# Altium PCB PCB_v4.PcbDoc (part 6 of 7)
Units mm, origin at the board's own origin, x right, y up, seen from the top; angles counter-clockwise.
Board outline 171.45 x 152.4 mm, 6 copper layers (Top Layer, Int1 (GND), Int2 (Sign), Int3 (Sign), Int4 (PWR), Bottom Layer), stack 1.551 mm thick; 408 components, 505 nets, 2356 pads, 897 vias.
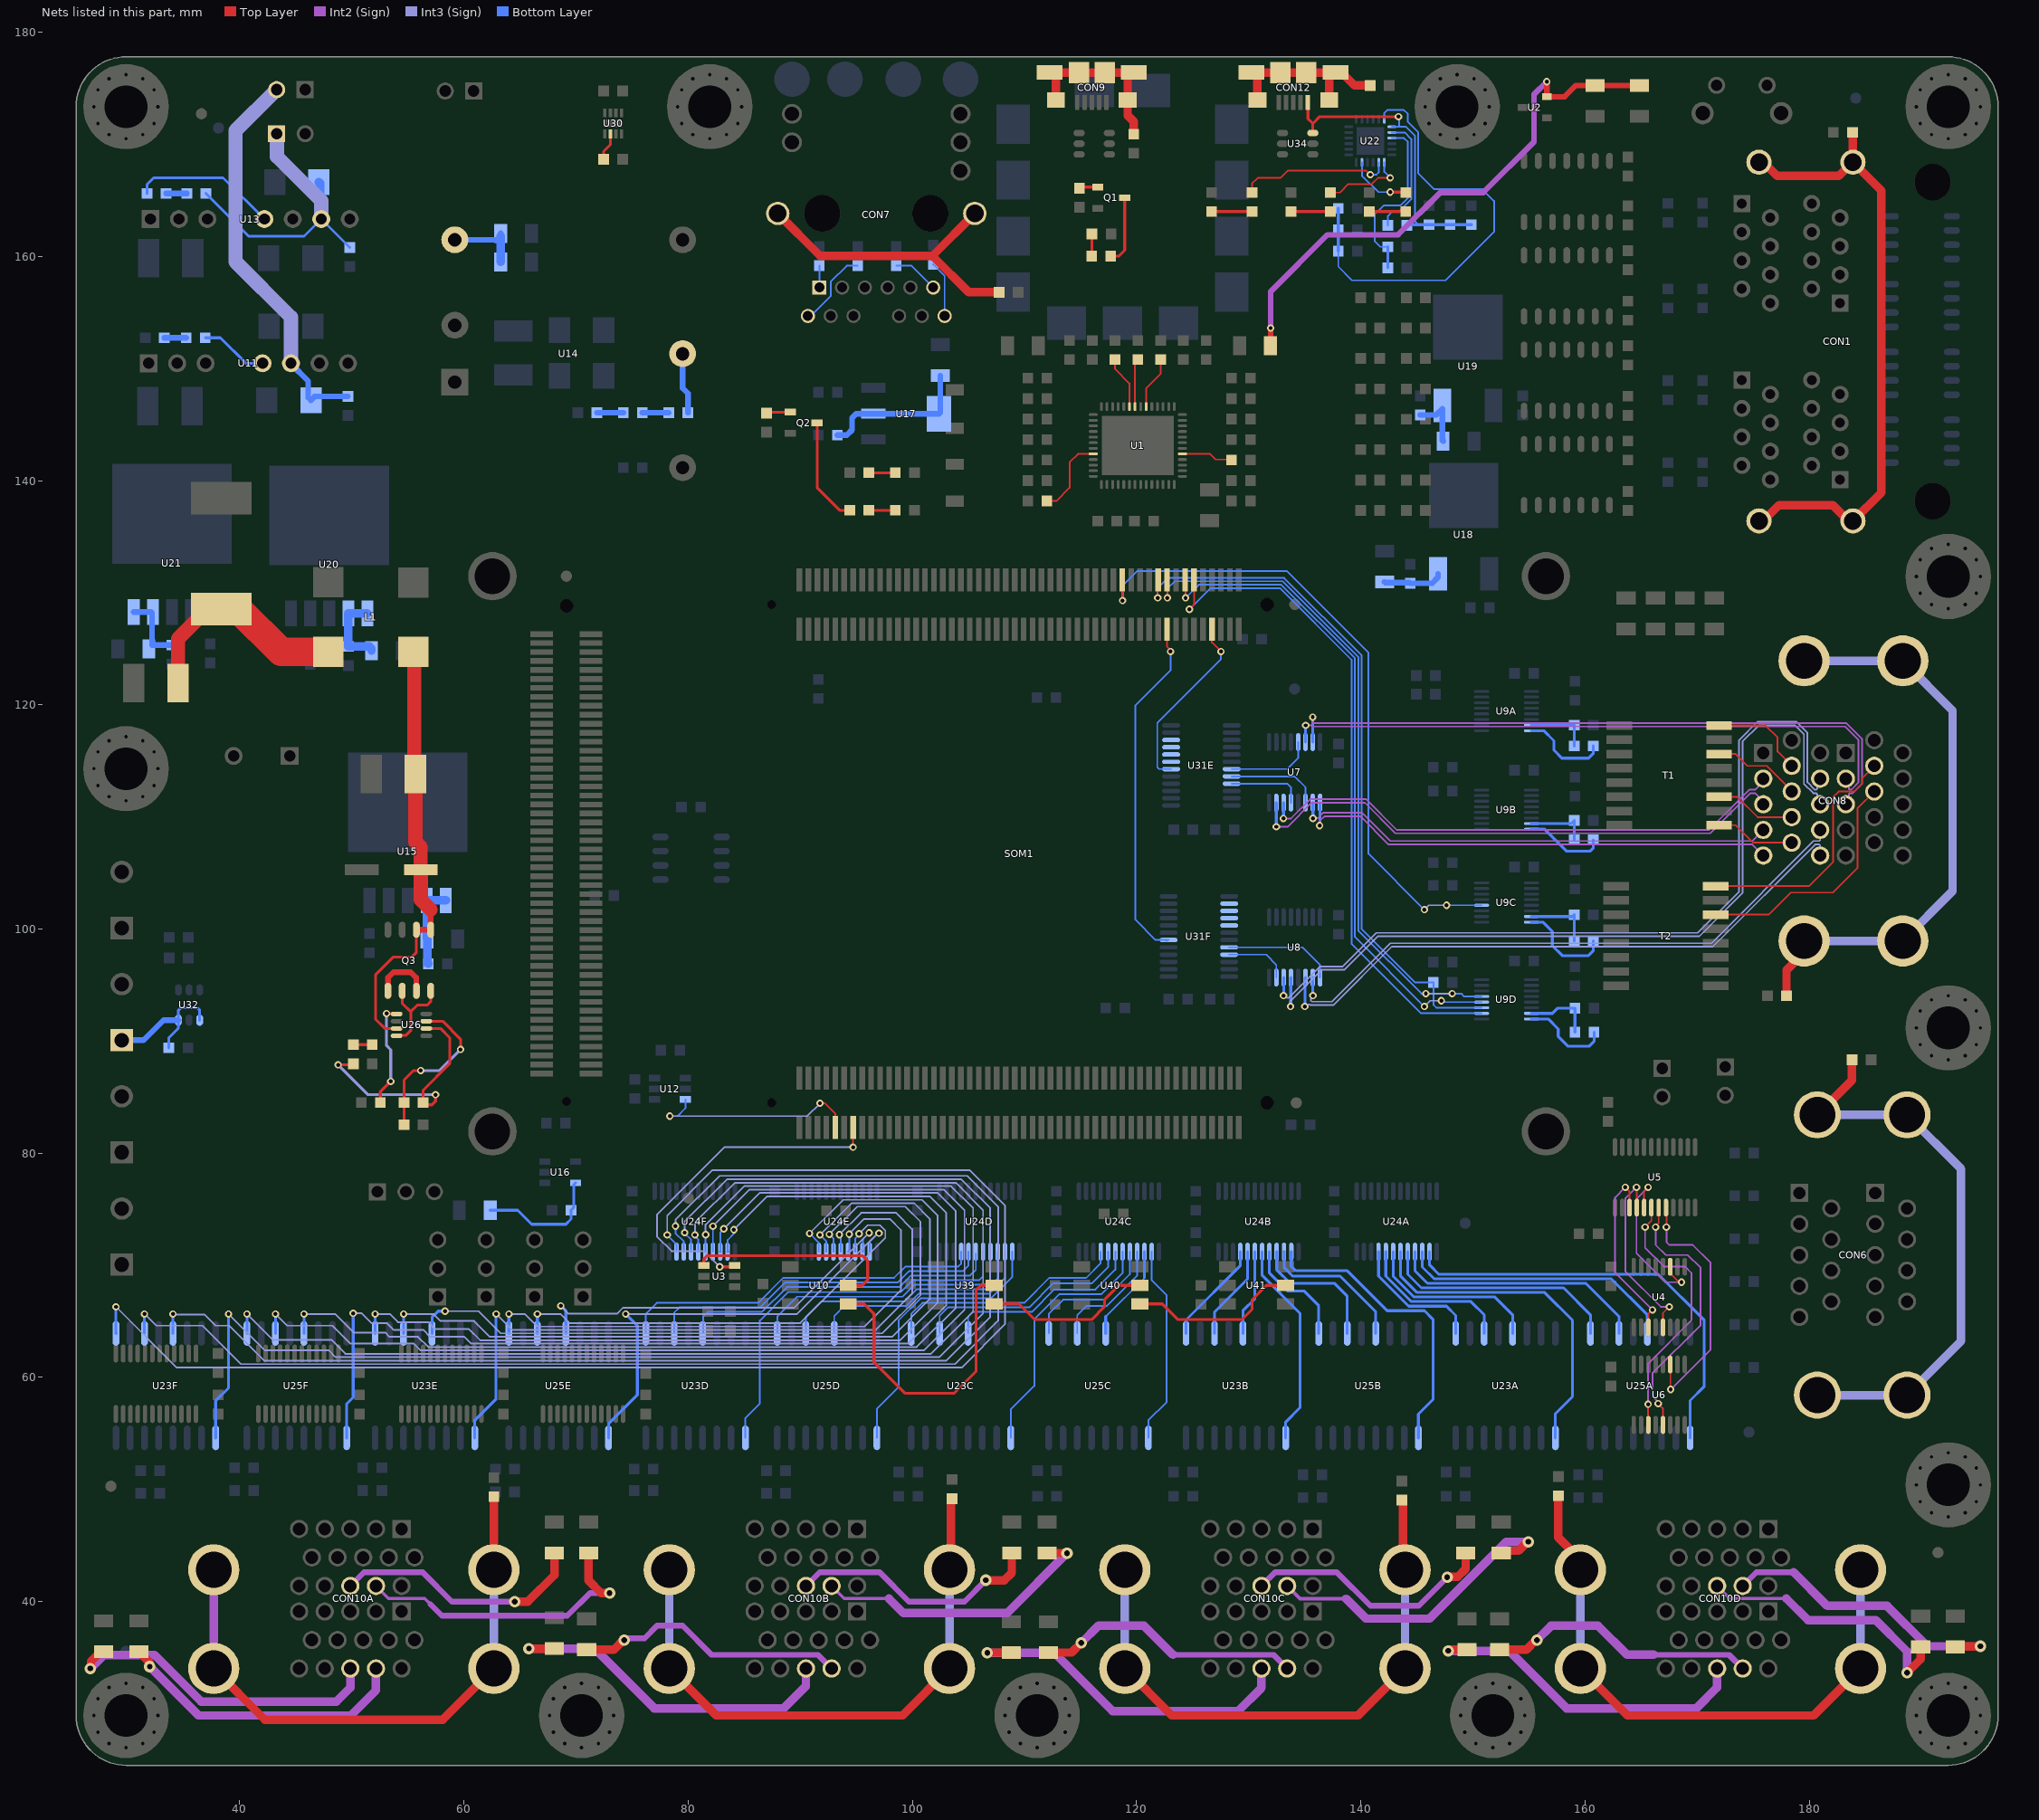
[diagram p10: the nets of this part, all layers, seen from the top]

## Via types
v1: diameter 0.66, hole 0.356, Top Layer to Bottom Layer, tented both sides, 808 vias
v2: diameter 1.016, hole 0.508, Top Layer to Bottom Layer, tented both sides, 72 vias
v3: diameter 0.66, hole 0.343, Top Layer to Bottom Layer, tented both sides, 7 vias
v4: diameter 1.524, hole 0.508, Top Layer to Bottom Layer, tented both sides, 7 vias
v5: diameter 1.524, hole 0.762, Top Layer to Bottom Layer, tented both sides, 2 vias
v6: diameter 2.032, hole 1.016, Top Layer to Bottom Layer, tented both sides, 1 vias

## Nets (pads, with @x,y where several pads share a name; then routed paths per layer and width w, separated by ;. In a path a pad name is that pad's centre, name@x,y a point inside that pad or via, vN(x,y) a via of type N, cw(c..) or ccw(c..) an arc to the next point about the centre after c; other vN are vias at no path point) (continued)
LV_SPI3_SCLK: SOM1.JX1-73 U9C.4 | length 58.9
  Top Layer w0.152: SOM1.JX1-73@118.718,131.146 118.745,131.119 v1(118.745,129.3)
  Int3 (Sign) w0.152: v1(145.669,101.727) 146.057,102.115 v1(147.647,102.115)
  Bottom Layer w0.152: v1(118.745,129.3) 118.745,130.627 120.049,131.931 133.405,131.931 140.688,124.648 140.688,106.708 v1(145.669,101.727) ; v1(147.647,102.115) U9C.4@150.771,102.115
LV_SPI4_IN: SOM1.JX1-94 U31E.6 | length 16.3
  Top Layer w0.152: SOM1.JX1-94@126.718,126.746 126.718,125.556 v1(127.525,124.749)
  Bottom Layer w0.152: U31E.6@123.077,114.265 122.003,114.265 121.843,114.424 121.843,118.391 127.525,124.073 v1(127.525,124.749)
LV_SPI4_MISO: R9D.1 SOM1.JX1-81 U9D.3 | length 63.1
  Top Layer w0.152: v1(121.881,129.54) 121.881,131.109 SOM1.JX1-81@121.918,131.146
  Bottom Layer w0.152: v1(121.881,129.54) 121.881,130.413 122.789,131.321 133.153,131.321 140.078,124.396 140.078,99.998 144.829,95.247 R9D.1@146.47,95.247 146.47,93.236 146.73,92.976 U9D.3@150.771,92.976
LV_SPI4_MOSI: SOM1.JX1-89 U9D.2 | length 60.2
  Top Layer w0.152: v1(124.714,128.524) 125.118,128.928 SOM1.JX1-89@125.118,131.146
  Bottom Layer w0.152: v1(124.714,128.524) 126.597,130.407 132.774,130.407 139.164,124.017 139.164,98.675 145.363,92.476 U9D.2@150.771,92.476
LV_SPI4_NSS: SOM1.JX1-83 U9D.5 | length 60.4
  Top Layer w0.152: SOM1.JX1-83@122.718,131.146 122.745,131.119 v1(122.745,129.54)
  Int3 (Sign) w0.152: v1(145.796,94.234) v1(148.149,94.234)
  Bottom Layer w0.152: v1(122.745,129.54) 122.745,130.362 123.4,131.016 133.026,131.016 139.773,124.27 139.773,99.872 145.411,94.234 v1(145.796,94.234) ; v1(148.149,94.234) 148.954,94.234 149.212,93.976 U9D.5@150.771,93.976
LV_SPI4_OUT: SOM1.JX1-84 U31F.6 | length 31.1
  Top Layer w0.152: SOM1.JX1-84@122.718,126.746 122.718,125.18 123.025,124.873 v1(123.025,124.749)
  Bottom Layer w0.152: U31F.6@122.852,99.016 122.735,99.016 122.655,98.936 122.576,99.016 121.699,99.016 119.888,100.826 119.888,119.945 123.025,123.082 v1(123.025,124.749)
LV_SPI4_SCLK: SOM1.JX1-87 U9D.4 | length 58.9
  Top Layer w0.152: SOM1.JX1-87@124.318,131.146 124.365,131.099 v1(124.365,129.54)
  Int3 (Sign) w0.152: v1(145.669,93.091) 146.177,93.599 v1(147.179,93.599)
  Bottom Layer w0.152: v1(124.365,129.54) 125.537,130.712 132.9,130.712 139.468,124.143 139.468,99.292 v1(145.669,93.091) ; v1(147.179,93.599) 147.302,93.476 U9D.4@150.771,93.476
LV_USER_LED_DIN: SOM1.JX2-14 U3.3 | length 31.8
  Top Layer w0.152: v1(94.705,80.531) 94.705,82.282 SOM1.JX2-14@94.718,82.296
  Top Layer w0.254: v1(82.804,69.862) 84.024,69.862 U3.3@84.146,69.985
  Int3 (Sign) w0.152: v1(82.804,69.862) 81.399,71.267 78.523,71.267 77.216,72.574 77.216,74.524 83.223,80.531 v1(94.705,80.531)
LV_VCCIO_EN: SOM1.JX2-10 U12.3 | length 19.3
  Top Layer w0.152: v1(91.753,84.455) 92.202,84.455 93.118,83.539 SOM1.JX2-10@93.118,82.296
  Int3 (Sign) w0.152: v1(78.359,83.312) 90.61,83.312 v1(91.753,84.455)
  Bottom Layer w0.152: v1(78.359,83.312) 79.053,83.312 79.755,84.015 U12.3@79.755,84.786
NetC1_1: C1.1 U1.45 | length 4.6
  Top Layer w0.152: U1.45@124.055,142.379 U1.45@124.08,142.379 126.561,142.379 127.061,141.879 128.414,141.879 C1.1@128.461,141.832
NetC2_1: C2.1 U1.6 | length 4.8
  Top Layer w0.152: U1.6@120.855,146.583 U1.6@120.855,146.604 120.855,148.238 122.135,149.518 C2.1@122.135,150.804
NetC3_1: C3.1 U1.9 | length 4.8
  Top Layer w0.152: C3.1@118.075,150.804 118.075,149.951 119.355,148.671 U1.9@119.355,146.583
NetC4_1: C4.1 U1.22 | length 7.2
  Top Layer w0.152: C4.1@111.997,138.176 112.826,138.176 114.016,139.366 114.016,141.634 114.761,142.379 U1.22@116.13,142.379 U1.22@116.156,142.379
NetC5_1: C5.1 U1.8 | length 4.3
  Top Layer w0.152: U1.8@119.855,146.583 U1.8@119.855,146.604 119.855,150.554 C5.1@120.105,150.804
NetC31_2: C31.2 CON7.12 | length 5
  Bottom Layer w0.152: C31.2@101.852,159.297 102.87,158.279 CON7.12@102.87,154.686
NetC32_2: C32.2 CON7.6 | length 4.1
  Bottom Layer w0.152: C32.2@98.552,159.17 99.908,159.17 CON7.6@101.852,157.226
NetC33_2: C33.2 CON7.1 | length 1.9
  Bottom Layer w0.152: CON7.1@91.694,157.226 C33.2@91.694,159.17
NetC34_2: C34.2 CON7.7 | length 7
  Bottom Layer w0.152: CON7.7@90.678,154.686 90.932,154.686 92.71,156.464 92.71,157.734 94.146,159.17 C34.2@95.123,159.17
NetC35_2: C35.2 C39.2 JP8.2 U11.6 | length 35.4
  Int3 (Sign) w1.27: JP8.2@43.283,174.876 39.624,171.217 39.624,159.512 44.565,154.571 U11.6@44.565,150.465
  Bottom Layer w0.508: U11.6@44.861,150.465 U11.6@44.565,150.465 44.565,150.413 46.101,148.877 C35.2@46.101,147.404 ; C35.2@46.342,147.163 46.684,147.505 C39.2@49.645,147.505
NetC37_2: C37.2 C80.1 L1.1 Q3.5 Q3.6 U26.7 | length 39.4
  Top Layer w0.254: U26.7@53.985,91.125 52.926,91.125 52.121,91.93 52.121,95.936 53.693,97.508 55.35,97.508 55.753,97.911 Q3.6@55.753,99.937
  Top Layer w0.508: Q3.6@55.753,99.937 Q3.5@57.023,99.937 57.023,101.727
  Top Layer w1.27: L1.1@55.479,124.714 55.57,124.623 55.57,113.917 C37.2@55.661,113.826 55.661,107.796 56.134,107.323 C80.1@56.134,105.283 56.142,105.275 56.142,102.608 57.023,101.727
NetC38_2: C38.2 L1.4 L2.2 | length 20
  Top Layer w1.27: C38.2@34.48,121.92 34.48,125.903 37.104,128.527 L2.2@38.354,128.527
  Top Layer w2.54: L2.2@38.354,128.527 39.875,128.527 43.688,124.714 L1.4@47.879,124.714
NetC42_2: C42.2 C44.1 JP9.1 R42.1 U13.7 | length 28.7
  Int3 (Sign) w1.27: JP9.1@43.283,170.942 43.307,170.918 43.307,168.91 47.268,164.949 U13.7@47.268,163.329
  Bottom Layer w0.254: R42.1@36.976,165.613 40.791,161.798 45.737,161.798 U13.7@47.268,163.329 47.269,163.329 C44.1@49.808,160.791
  Bottom Layer w0.762: C42.2@47.053,166.629 47.16,166.522 47.16,163.436 U13.7@47.268,163.329
NetC52_1: C52.1 R64.2 U15.1 U15.2 | length 7.4
  Bottom Layer w0.762: C52.1@56.805,96.901 56.746,96.961 56.746,99.06 R64.2@56.686,99.119 56.681,99.125 56.681,102.543 U15.2@56.675,102.548 U15.1@58.377,102.548
NetC54_1: C54.1 R65.1 U16.5 | length 11.3
  Bottom Layer w0.254: R65.1@62.335,74.914 64.786,74.914 66.04,73.66 69.088,73.66 69.549,74.121 C54.1@69.549,74.914 69.782,75.147 69.782,77.181 U16.5@69.955,77.354
NetC56_1: C56.1 R70.2 U17.2 U17.4 | length 13.9
  Bottom Layer w0.508: C56.1@93.306,144.059 94.148,144.059 94.615,144.526 94.615,145.6 94.979,145.964 U17.2@96.516,145.964 U17.4@102.366,145.964 102.489,146.087 R70.2@102.489,149.374
NetC58_2: C58.2 R71.2 U18.3 | length 5.4
  Bottom Layer w0.508: R71.2@142.113,130.959 142.176,130.896 144.336,130.896 C58.2@144.399,130.833 146.342,130.833 146.888,131.379 U18.3@146.888,131.683
NetC60_1: C60.1 R74.2 U19.3 | length 5.1
  Bottom Layer w0.508: C60.1@145.288,145.856 146.723,145.856 147.269,146.402 147.269,143.583 R74.2@147.342,143.51
NetC62_1: C62.1 R72.2 U20.1 U20.2 | length 7
  Bottom Layer w0.762: U20.1@51.38,128.143 U20.2@49.678,128.143 C62.1@49.678,125.202 51.552,125.202 51.746,125.008 R72.2@51.746,124.841
NetC64_1: C64.1 R73.2 U21.4 U21.5 | length 6.3
  Bottom Layer w0.508: U21.5@30.541,128.27 32.094,128.27 32.168,128.196 32.168,125.329 C64.1@33.944,125.329
NetC65_1: C65.1 C66.1 C67.1 CON12.1 R48.2 U22.7 U34.6 | length 27.8
  Top Layer w0.254: CON12.1@135.285,173.609 135.285,172.286 135.716,171.855 ; U34.6@135.716,171.003 135.716,171.855 ; v1(143.356,172.466) 136.327,172.466 135.716,171.855
  Bottom Layer w0.152: U22.7@142.768,171.557 143.402,171.557 ; v1(143.356,172.466) 143.402,172.42 143.402,171.557 ; 145.128,162.833 144.823,163.138 144.823,170.77 144.036,171.557 143.402,171.557
  Bottom Layer w0.254: R48.2@144.11,162.777 144.166,162.833 145.128,162.833 C66.1@146.09,162.833 C67.1@147.955,162.833 C65.1@149.86,162.833
NetC68_2: C68.2 C69.2 C70.2 U22.6 | length 40.5
  Bottom Layer w0.152: C68.2@137.984,160.472 137.984,159.094 139.217,157.861 147.574,157.861 151.892,162.179 151.892,164.933 150.836,165.989 146.528,165.989 145.128,167.389 145.128,171.057 144.194,171.991 144.194,172.704 143.843,173.055 142.36,173.055 142.093,172.788 U22.6@142.093,172.232
  Bottom Layer w0.254: C68.2@137.984,160.472 C69.2@137.984,162.377 C70.2@137.984,164.282
NetC92_2: C92.2 U30.6 | length 2.5
  Top Layer w0.254: C92.2@72.453,168.656 72.453,169.354 73.053,169.954 U30.6@73.053,170.91
NetCON4_1: CON4.1 R5.2 U32.4 U32.6 | length 12.5
  Bottom Layer w0.254: R5.2@33.672,89.408 33.672,90.314 34.522,91.164 U32.6@34.522,91.868 34.522,92.768 34.718,92.964 36.214,92.964 36.422,92.756 U32.4@36.422,91.868
  Bottom Layer w0.508: CON4.1@29.464,90.083 31.409,90.083 33.194,91.868 U32.6@34.522,91.868
NetCON10A_12A: CON10A.12A R22.1 | length 27.6
  Top Layer w0.762: R22.1@71.12,44.345 71.12,41.877 72.23,40.767 v2(72.985,40.767)
  Int2 (Sign) w0.305: CON10A.12A@52.146,41.402 53.264,40.284 56.49,40.284 57.023,39.751
  Int2 (Sign) w0.508: 57.023,39.751 58.039,38.735 69.215,38.735 71.247,40.767 v2(72.985,40.767)
NetCON10A_12B: CON10A.12B R24.1 | length 26.6
  Top Layer w0.762: R24.1@30.996,35.54 31.964,34.572 v2(31.964,34.203)
  Int2 (Sign) w0.762: v2(31.964,34.203) 36.322,29.845 49.911,29.845 52.146,32.08 CON10A.12B@52.146,34.036
NetCON10A_13A: CON10A.13A R23.1 | length 22.7
  Top Layer w0.762: v2(64.516,40.005) 65.696,40.005 68.072,42.381 R23.1@68.072,44.345
  Int2 (Sign) w0.508: CON10A.13A@49.86,41.402 51.079,42.621 56.312,42.621 58.928,40.005 v2(64.516,40.005)
NetCON10A_13B: CON10A.13B R25.1 | length 29.8
  Top Layer w0.762: v2(26.67,34.036) 26.719,34.085 26.719,34.672 27.587,35.54 R25.1@27.862,35.54
  Int2 (Sign) w0.762: v2(26.67,34.036) 27.878,35.244 32.395,35.244 36.564,31.076 48.611,31.076 49.86,32.325 CON10A.13B@49.86,34.036
NetCON10B_12A: CON10B.12A R26.1 | length 26
  Top Layer w0.762: R26.1@112.014,44.345 112.025,44.334 113.781,44.334 v2(113.792,44.323)
  Int2 (Sign) w0.305: CON10B.12A@92.786,41.402 93.904,40.284 97.892,40.284
  Int2 (Sign) w0.762: 97.892,40.284 99.187,38.989 108.458,38.989 v2(113.792,44.323)
NetCON10B_12B: CON10B.12B R28.1 | length 24.3
  Top Layer w0.762: R28.1@70.942,35.709 73.359,35.709 74.226,36.576 v2(74.295,36.576)
  Int2 (Sign) w0.508: v2(74.295,36.576) 74.432,36.576 74.585,36.728 76.098,36.728 77.216,37.846 79.502,37.846 82.093,35.255 91.567,35.255 CON10B.12B@92.786,34.036
NetCON10B_13A: CON10B.13A R27.1 | length 22.8
  Top Layer w0.762: v2(106.553,41.91) 108.204,41.91 108.863,42.569 R27.1@108.863,44.345
  Int2 (Sign) w0.508: CON10B.13A@90.5,41.402 91.719,42.621 97.079,42.621 99.695,40.005 104.648,40.005 v2(106.553,41.91)
NetCON10B_13B: CON10B.13B R29.1 | length 31.6
  Top Layer w0.762: v2(65.786,35.814) R29.1@68.072,35.814
  Int2 (Sign) w0.762: v2(65.786,35.814) 71.638,35.814 76.972,30.48 88.519,30.48 90.5,32.461 CON10B.13B@90.5,34.036
NetCON10C_12A: CON10C.12A R30.1 | length 28.4
  Top Layer w0.762: R30.1@152.519,44.345 152.713,44.539 154.071,44.539 154.871,45.339 v2(154.94,45.339)
  Int2 (Sign) w0.305: CON10C.12A@133.426,41.402 134.569,40.259 138.684,40.259
  Int2 (Sign) w0.762: 138.684,40.259 140.462,38.481 146.125,38.481 152.983,45.339 v2(154.94,45.339)
NetCON10C_12B: CON10C.12B R32.1 | length 23.9
  Top Layer w0.762: R32.1@112.117,35.455 114.195,35.455 v2(115.062,36.322)
  Int2 (Sign) w0.508: 123.241,35.255 132.207,35.255 CON10C.12B@133.426,34.036
  Int2 (Sign) w0.762: v2(115.062,36.322) 116.586,37.846 120.65,37.846 123.241,35.255
NetCON10C_13A: CON10C.13A R31.1 | length 22.7
  Top Layer w0.762: v2(147.701,42.164) 147.75,42.213 148.642,42.213 149.352,42.923 R31.1@149.352,44.345
  Int2 (Sign) w0.508: CON10C.13A@131.14,41.402 132.359,42.621 137.846,42.621 140.843,39.624 145.161,39.624 v2(147.701,42.164)
NetCON10C_13B: CON10C.13B R33.1 | length 31.4
  Top Layer w0.762: v2(106.68,35.433) 106.72,35.433 106.742,35.455 R33.1@108.815,35.455
  Int2 (Sign) w0.762: v2(106.68,35.433) 112.649,35.433 117.856,30.226 129.056,30.226 131.14,32.31 CON10C.13B@131.14,34.036
NetCON10D_12A: CON10D.12A R34.1 | length 26.7
  Top Layer w0.762: R34.1@193.04,35.963 193.067,35.99 195.235,35.99 v2(195.262,36.017)
  Int2 (Sign) w0.508: CON10D.12A@174.066,41.402 175.285,42.621 178.613,42.621
  Int2 (Sign) w0.762: 178.613,42.621 181.61,39.624 186.944,39.624 190.551,36.017 v2(195.262,36.017)
NetCON10D_12B: CON10D.12B R36.1 | length 24.2
  Top Layer w0.762: R36.1@152.363,35.709 154.766,35.709 155.633,36.576 v2(155.702,36.576)
  Int2 (Sign) w0.508: 166.116,35.255 172.847,35.255 CON10D.12B@174.066,34.036
  Int2 (Sign) w0.762: v2(155.702,36.576) 156.972,37.846 161.163,37.846 163.754,35.255 166.116,35.255
NetCON10D_13A: CON10D.13A R35.1 | length 24.1
  Top Layer w0.762: v2(188.722,33.655) 189.941,34.874 R35.1@189.941,35.963
  Int2 (Sign) w0.305: CON10D.13A@171.78,41.402 172.898,40.284 177.952,40.284
  Int2 (Sign) w0.762: 177.952,40.284 179.883,38.354 185.928,38.354 188.722,35.56 v2(188.722,33.655)
NetCON10D_13B: CON10D.13B R37.1 | length 30.3
  Top Layer w0.762: v2(147.798,35.612) 147.895,35.709 R37.1@149.483,35.709
  Int2 (Sign) w0.762: v2(147.798,35.612) 153.222,35.612 158.354,30.48 169.926,30.48 171.78,32.334 CON10D.13B@171.78,34.036
NetLED1_A: LED1.A R2.2 | length 2
  Top Layer w0.254: LED1.A@115.99,160.02 116.016,160.046 R2.2@116.016,161.993
NetLED1_C: LED1.C Q1.3 | length 6.1
  Top Layer w0.254: LED1.C@117.69,160.02 118.408,160.02 118.936,160.549 Q1.3@118.936,165.233
NetLED2_A: LED2.A R3.2 | length 2.4
  Top Layer w0.254: LED2.A@96.114,137.35 R3.2@98.478,137.35
NetLED2_C: LED2.C Q2.3 | length 9.5
  Top Layer w0.254: Q2.3@91.497,145.161 91.497,139.366 93.512,137.35 LED2.C@94.414,137.35
NetLED3_A: LED3.A R4.2 | length 2.4
  Top Layer w0.254: LED3.A@96.114,140.702 R4.2@98.478,140.702
NetLED12_A: LED12.A R49.1 | length 3.6
  Top Layer w0.254: R49.1@126.677,163.999 LED12.A@130.293,163.999
NetLED12_C: LED12.C U22.14 | length 13.7
  Top Layer w0.152: LED12.C@130.293,165.699 130.293,166.488 130.81,167.005 132.835,167.005 133.47,167.64 140.492,167.64 v1(140.843,167.289)
  Bottom Layer w0.152: v1(140.843,167.289) 141.393,167.289 141.593,167.489 U22.14@141.593,168.382
NetLED13_A: LED13.A R51.1 | length 3.5
  Top Layer w0.254: R51.1@133.774,163.999 LED13.A@137.274,163.999
NetLED13_C: LED13.C U22.13 | length 7.5
  Top Layer w0.152: LED13.C@137.274,165.699 138.136,165.699 138.892,166.455 140.97,166.455 141.52,167.005 v1(142.621,167.005)
  Top Layer w0.254: LED13.C@137.238,165.735 LED13.C@137.274,165.699
  Bottom Layer w0.152: U22.13@142.093,168.382 142.093,167.533 v1(142.621,167.005)
NetLED14_A: LED14.A R52.1 | length 3.3
  Top Layer w0.254: R52.1@140.752,163.999 LED14.A@144.007,163.999
NetLED14_C: LED14.C U22.17 | length 5.7
  Top Layer w0.254: v1(142.621,165.735) 143.971,165.735 LED14.C@144.007,165.699
  Bottom Layer w0.152: U22.17@140.093,168.382 140.093,167.205 141.563,165.735 v1(142.621,165.735)
NetQ1_1: Q1.1 R6.1 | length 1.7
  Top Layer w0.254: R6.1@114.894,166.083 114.994,166.183 Q1.1@116.536,166.183
NetQ2_1: Q2.1 R7.1 | length 2.1
  Top Layer w0.254: R7.1@86.995,146.011 87.095,146.111 Q2.1@89.097,146.111
NetQ3_1: Q3.1 Q3.3 | length 5.3
  Top Layer w0.508: Q3.1@53.213,94.487 53.231,94.505 53.231,95.672 53.698,96.139 55.245,96.139 55.735,95.649 55.735,94.505 Q3.3@55.753,94.487
NetQ3_2: Q3.2 Q3.4 U26.8 | length 8.4
  Top Layer w0.254: U26.8@53.985,90.475 54.032,90.522 54.835,90.522 55.245,90.932 55.245,92.622 ; Q3.2@54.483,94.487 54.486,94.484 54.486,93.381 55.245,92.622 ; Q3.4@57.023,94.487 57.023,93.508 56.733,93.218 55.841,93.218 55.245,92.622
NetR10A_1: R10A.1 R19A.2 U9A.15 | length 5.7
  Bottom Layer w0.254: U9A.15@155.221,118.193 R19A.2@159.043,118.193 R10A.1@159.043,116.332
NetR10A_2: R10A.2 U9A.16 | length 7.9
  Bottom Layer w0.254: U9A.16@155.221,117.694 156.329,117.694 157.226,116.796 157.226,115.951 157.934,115.243 160.318,115.243 160.743,115.668 R10A.2@160.743,116.332
NetR10B_1: R10B.1 R19B.2 U9B.15 | length 5.7
  Bottom Layer w0.254: U9B.15@155.221,109.4 158.752,109.4 R19B.2@159.043,109.691 R10B.1@159.043,107.95
NetR10B_2: R10B.2 U9B.16 | length 7.2
  Bottom Layer w0.254: U9B.16@155.221,108.9 156.403,108.9 158.369,106.934 160.445,106.934 160.743,107.232 R10B.2@160.743,107.95
NetR10C_1: R10C.1 R19C.2 U9C.15 | length 6.2
  Bottom Layer w0.254: U9C.15@155.221,101.115 158.878,101.115 R19C.2@159.043,101.28 R10C.1@159.043,98.933
NetR10C_2: R10C.2 U9C.16 | length 8.5
  Bottom Layer w0.254: U9C.16@155.221,100.615 156.244,100.615 157.087,99.771 157.087,98.505 157.962,97.63 160.304,97.63 160.743,98.069 R10C.2@160.743,98.933
NetR10D_1: R10D.1 R19D.2 U9D.15 | length 6.2
  Bottom Layer w0.254: U9D.15@155.221,92.476 157.086,92.476 157.537,92.927 R19D.2@159.102,92.927 R10D.1@159.102,90.786
NetR10D_2: R10D.2 U9D.16 | length 8
  Bottom Layer w0.254: U9D.16@155.221,91.976 156.709,91.976 157.607,91.078 157.607,90.424 158.496,89.535 160.355,89.535 160.802,89.982 R10D.2@160.802,90.786
NetR39_1: R39.1 R40.2 | length 2
  Bottom Layer w0.508: R40.2@33.266,152.739 R39.1@35.22,152.739
NetR39_2: R39.2 U11.5 | length 6
  Bottom Layer w0.254: R39.2@36.92,152.739 38.269,152.739 40.543,150.465 U11.5@42.025,150.465
NetR41_1: R41.1 R42.2 | length 1.8
  Bottom Layer w0.508: R41.1@33.428,165.613 R42.2@35.276,165.613
NetR41_2: R41.2 U13.5 | length 13
  Bottom Layer w0.254: R41.2@31.728,165.613 31.728,166.411 32.322,167.005 38.512,167.005 U13.5@42.188,163.329